# KiCad board phnx.kicad_pcb (continued)
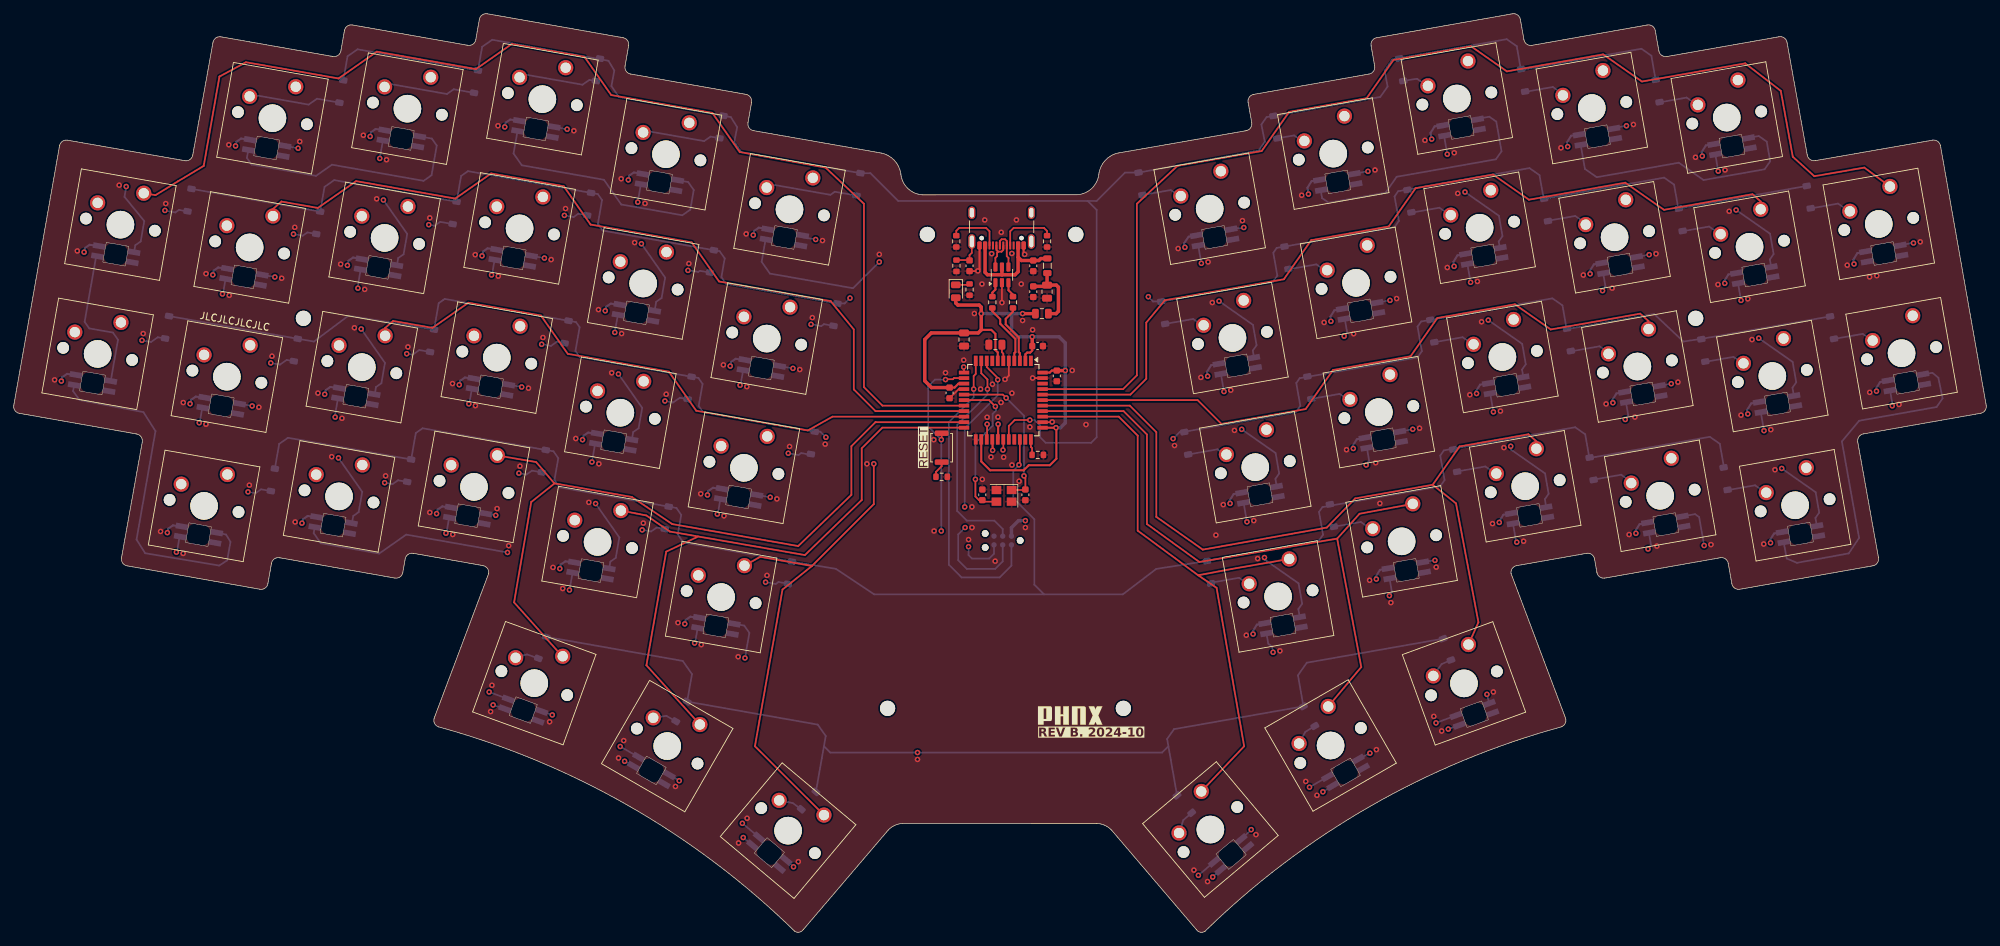
[diagram p0: board, top side]
## Nets
/ESD & Power Filtering/5V: C5.1 C6.1 C7.1 C8.1 D109.2 D502.1 D503.1 D505.1 D506.1 D507.1 D508.1 D509.1 D510.1 D511.1 D512.1 D513.1 D514.1 D515.1 D516.1 D517.1 D518.1 D519.1 D520.1 D521.1 D522.1 D523.1 D524.1 D525.1 D526.1 D527.1 D528.1 D529.1 D530.1 D531.1 D532.1 D533.1 D534.1 D535.1 D536.1 D537.1 D538.1 D539.1 D540.1 D541.1 D542.1 D543.1 D544.1 D545.1 D546.1 D547.1 D548.1 D549.1 D550.1 D552.1 D553.1 F1.2 J3.2 U1.2 U1.7 U1.14 U1.24 U1.34 U1.44
/ESD & Power Filtering/5V_FUSE: C2.1 C3.1 F1.1 FB1.2
/ESD & Power Filtering/VBUS: C1.1 FB1.1 J1.A4 J1.A9 J1.B4 J1.B9 U2.5
GND: C1.2 C2.2 C3.2 C4.2 C5.2 C6.2 C7.2 C8.2 C9.2 C10.1 C11.1 D502.3 D503.3 D505.3 D506.3 D507.3 D508.3 D509.3 D510.3 D511.3 D512.3 D513.3 D514.3 D515.3 D516.3 D517.3 D518.3 D519.3 D520.3 D521.3 D522.3 D523.3 D524.3 D525.3 D526.3 D527.3 D528.3 D529.3 D530.3 D531.3 D532.3 D533.3 D534.3 D535.3 D536.3 D537.3 D538.3 D539.3 D540.3 D541.3 D542.3 D543.3 D544.3 D545.3 D546.3 D547.3 D548.3 D549.3 D550.3 D552.3 D553.3 J1.A1 J1.A12 J1.B1 J1.B12 J3.6 R1.2 R2.2 R5.2 R6.2 R7.2 R8.2 U1.5 U1.15 U1.23 U1.35 U1.43 U2.2 Y2.2 Y2.4
/ESD & Power Filtering/CONN_D+: J1.A6 J1.B6 U2.6
/ESD & Power Filtering/CONN_D-: J1.A7 J1.B7 U2.4
/ESD & Power Filtering/D+: R3.1 U2.1
/ESD & Power Filtering/D-: R4.1 U2.3
/Keyboard Matrix/COL_1: SW402.1 SW403.1 U1.18
/Keyboard Matrix/COL_2: SW405.1 SW406.1 SW407.1 SW408.1 U1.19
/Keyboard Matrix/COL_3: SW409.1 SW410.1 SW411.1 SW412.1 U1.20
/Keyboard Matrix/COL_4: SW413.1 SW414.1 SW415.1 SW416.1 SW417.1 U1.21
/Keyboard Matrix/COL_5: SW418.1 SW419.1 SW420.1 SW421.1 SW422.1 U1.22
/Keyboard Matrix/COL_6: SW423.1 SW424.1 SW425.1 SW426.1 SW427.1 U1.25
/Keyboard Matrix/COL_7: SW428.1 SW429.1 SW430.1 SW431.1 SW432.1 U1.36
/Keyboard Matrix/COL_8: SW433.1 SW434.1 SW435.1 SW436.1 SW437.1 U1.37
/Keyboard Matrix/COL_9: SW438.1 SW439.1 SW440.1 SW441.1 SW442.1 U1.38
/Keyboard Matrix/COL_10: SW443.1 SW444.1 SW445.1 SW446.1 U1.39
/Keyboard Matrix/COL_11: SW447.1 SW448.1 SW449.1 SW450.1 U1.40
/Keyboard Matrix/COL_12: SW452.1 SW453.1 U1.41
/Keyboard Matrix/ROW_1: D405.1 D409.1 D413.1 D418.1 D423.1 D428.1 D433.1 D438.1 D443.1 D447.1 U1.29
/Keyboard Matrix/ROW_2: D402.1 D406.1 D410.1 D414.1 D419.1 D424.1 D429.1 D434.1 D439.1 D444.1 D448.1 D452.1 U1.27
/Keyboard Matrix/ROW_3: D403.1 D407.1 D411.1 D415.1 D420.1 D425.1 D430.1 D435.1 D440.1 D445.1 D449.1 D453.1 U1.26
/Keyboard Matrix/ROW_4: D408.1 D412.1 D416.1 D421.1 D426.1 D431.1 D436.1 D441.1 D446.1 D450.1 U1.31
/Keyboard Matrix/ROW_5: D417.1 D422.1 D427.1 D432.1 D437.1 D442.1 U1.28
/LED Matrix Left Side/DOUT: D523.2 D528.4
/Microcontroller/L_DOUT: D502.4 U1.12
/Microcontroller/MCU_D+: R3.2 U1.4
/Microcontroller/MCU_D-: R4.2 U1.3
Earth: C4.1 J1.S1 R1.1
MISO: J3.1 U1.11
MOSI: J3.4 U1.10
RST: J3.5 SW55.1 U1.13
SCK: J3.3 U1.9
XTAL1: C10.2 U1.17 Y2.3
XTAL2: C11.2 U1.16 Y2.1
Net-(D109-K): D109.1 R8.1
Net-(D402-A): D402.2 SW402.2
Net-(D403-A): D403.2 SW403.2
Net-(D405-A): D405.2 SW405.2
Net-(D406-A): D406.2 SW406.2
Net-(D407-A): D407.2 SW407.2
Net-(D408-A): D408.2 SW408.2
Net-(D409-A): D409.2 SW409.2
Net-(D410-A): D410.2 SW410.2
Net-(D411-A): D411.2 SW411.2
Net-(D412-A): D412.2 SW412.2
Net-(D413-A): D413.2 SW413.2
Net-(D414-A): D414.2 SW414.2
Net-(D415-A): D415.2 SW415.2
Net-(D416-A): D416.2 SW416.2
Net-(D417-A): D417.2 SW417.2
Net-(D418-A): D418.2 SW418.2
Net-(D419-A): D419.2 SW419.2
Net-(D420-A): D420.2 SW420.2
Net-(D421-A): D421.2 SW421.2
Net-(D422-A): D422.2 SW422.2
Net-(D423-A): D423.2 SW423.2
Net-(D424-A): D424.2 SW424.2
Net-(D425-A): D425.2 SW425.2
Net-(D426-A): D426.2 SW426.2
Net-(D427-A): D427.2 SW427.2
Net-(D428-A): D428.2 SW428.2
Net-(D429-A): D429.2 SW429.2
Net-(D430-A): D430.2 SW430.2
Net-(D431-A): D431.2 SW431.2
Net-(D432-A): D432.2 SW432.2
Net-(D433-A): D433.2 SW433.2
Net-(D434-A): D434.2 SW434.2
Net-(D435-A): D435.2 SW435.2
Net-(D436-A): D436.2 SW436.2
Net-(D437-A): D437.2 SW437.2
Net-(D438-A): D438.2 SW438.2
Net-(D439-A): D439.2 SW439.2
Net-(D440-A): D440.2 SW440.2
Net-(D441-A): D441.2 SW441.2
Net-(D442-A): D442.2 SW442.2
Net-(D443-A): D443.2 SW443.2
Net-(D444-A): D444.2 SW444.2
Net-(D445-A): D445.2 SW445.2
Net-(D446-A): D446.2 SW446.2
Net-(D447-A): D447.2 SW447.2
Net-(D448-A): D448.2 SW448.2
Net-(D449-A): D449.2 SW449.2
Net-(D450-A): D450.2 SW450.2
Net-(D452-A): D452.2 SW452.2
Net-(D453-A): D453.2 SW453.2
Net-(D502-DOUT): D502.2 D503.4
Net-(D503-DOUT): D503.2 D508.4
Net-(D505-DIN): D505.4 D506.2
Net-(D505-DOUT): D505.2 D509.4
Net-(D506-DIN): D506.4 D507.2
Net-(D507-DIN): D507.4 D508.2
Net-(D509-DOUT): D509.2 D510.4
Net-(D510-DOUT): D510.2 D511.4
Net-(D511-DOUT): D511.2 D512.4
Net-(D512-DOUT): D512.2 D517.4
Net-(D513-DIN): D513.4 D514.2
Net-(D513-DOUT): D513.2 D518.4
Net-(D514-DIN): D514.4 D515.2
Net-(D515-DIN): D515.4 D516.2
Net-(D516-DIN): D516.4 D517.2
Net-(D518-DOUT): D518.2 D519.4
Net-(D519-DOUT): D519.2 D520.4
Net-(D520-DOUT): D520.2 D521.4
Net-(D521-DOUT): D521.2 D522.4
Net-(D522-DOUT): D522.2 D527.4
Net-(D523-DIN): D523.4 D524.2
Net-(D524-DIN): D524.4 D525.2
Net-(D525-DIN): D525.4 D526.2
Net-(D526-DIN): D526.4 D527.2
Net-(D528-DOUT): D528.2 D529.4
Net-(D529-DOUT): D529.2 D530.4
Net-(D530-DOUT): D530.2 D531.4
Net-(D531-DOUT): D531.2 D532.4
Net-(D532-DOUT): D532.2 D537.4
Net-(D533-DIN): D533.4 D534.2
Net-(D533-DOUT): D533.2 D538.4
Net-(D534-DIN): D534.4 D535.2
Net-(D535-DIN): D535.4 D536.2
Net-(D536-DIN): D536.4 D537.2
Net-(D538-DOUT): D538.2 D539.4
Net-(D539-DOUT): D539.2 D540.4
Net-(D540-DOUT): D540.2 D541.4
Net-(D541-DOUT): D541.2 D542.4
Net-(D542-DOUT): D542.2 D546.4
Net-(D543-DIN): D543.4 D544.2
Net-(D543-DOUT): D543.2 D547.4
Net-(D544-DIN): D544.4 D545.2
Net-(D545-DIN): D545.4 D546.2
Net-(D547-DOUT): D547.2 D548.4
Net-(D548-DOUT): D548.2 D549.4
Net-(D549-DOUT): D549.2 D550.4
Net-(D550-DOUT): D550.2 D553.4
Net-(D552-DIN): D552.4 D553.2
Net-(J1-CC1): J1.A5 R2.1
Net-(J1-CC2): J1.B5 R5.1
Net-(R7-Pad1): R7.1 SW55.2
Net-(U1-UCAP): C9.1 U1.6
Net-(U1-~{HWB}/PE2): R6.1 U1.33

Pads without a net: D552 2; J1 A8 B8; U1 1 8 30 32 42

## Via types
v1: diameter 0.8, hole 0.4, Top to Bottom, 383 vias

## Routing (per net, layer and track width the routed paths; a pad name or vN(x,y) marks a point on that pad's centre or on a via; arc(x,y) is an arc through that point)
/ESD & Power Filtering/5V: length 1542.9
  Top w0.3: 140.41,87.44 141.87,87.44 142.46,86.85 142.46,84.52 142.81,84.17 U1.7 ; U1.34 v1(151.26,73.24) 151.31,73.19 151.31,68.74 150.36,67.79 147.3,67.79 146.56,67.05 141.7,67.05 140.41,68.34 U1.24 ; U1.2 146.81,83.89 147.06,84.14 147.51,84.14 147.81,84.44 C7.1 ; U1.14 137.11,79.64 136.54,79.06 C6.1 ; U1.44 150.36,81.24 150.66,81.53 C5.1
  Top w0.5: D109.2 136.71,91.34 137.01,91.04 140.11,91.04 140.41,90.74 v1(140.41,89.8) 140.41,87.44 139.96,86.99 133.16,86.99 132.21,86.04 132.21,80.04 133.19,79.06 C6.1 ; F1.2 146.42,89.79 v1(146.41,89.8) ; C5.1 152.61,81.53 v1(152.61,81.54) ; C7.1 v1(147.81,86.44)
  In1.Cu w0.5: v1(151.26,73.24) 151.26,63.19 147.82,59.74 v1(146.82,59.74)
  In2.Cu w0.25: 231.4,74.96 232.21,76.12 v1(232.08,76.86) ; v1(176.52,62.24) 176.65,61.5 175.84,60.34 ; 211.37,76.26 212.38,77.7 v1(212.3,78.2) ; v1(194.41,70.22) 194.54,69.48 193.73,68.32
  In2.Cu w0.3: 10.68,97.11 10.08,97.98 v1(10.21,98.72) ; 169.24,97.77 170.05,98.93 v1(169.97,99.42) ; 87.36,49.83 90.2,45.77 87.11,28.25 v1(88.01,26.96) ; v1(85.84,90.2) 85.76,89.71 86.57,88.55 ; v1(179.87,43.28) 179.95,42.79 179.14,41.63 180.62,41.89 ; v1(209.04,96.66) 209.13,96.17 208.32,95.01 ; v1(225.52,114.04) 225.61,113.55 224.8,112.39 ; 228.1,93.68 228.91,94.83 v1(228.78,95.57) ; v1(41.82,59.38) 41.74,58.89 42.55,57.73 ; v1(97.38,44.76) 97.29,44.27 98.1,43.11 ; v1(187.9,107.15) 187.98,106.66 187.38,105.79 ; v1(205.78,115.13) 205.87,114.63 205.26,113.77 ; v1(22.29,58) 22.2,57.51 23.01,56.35 ; v1(71.26,116.89) 71.17,116.4 71.98,115.24 ; 29.61,93.77 28.8,94.93 v1(28.89,95.42) ; v1(215.6,59.48) 215.73,58.75 214.91,57.59 ; v1(235.42,57.9) 235.55,57.16 234.94,56.3 ; 45.85,76.44 45.04,77.6 v1(45.12,78.09) ; 108,99.24 107.19,100.4 v1(107.32,101.2) ; v1(79.25,52.78) 79.16,52.29 79.97,51.13 ; v1(51.72,115.51) 51.63,115.02 52.45,113.86 ; v1(248.32,94.19) 248.45,93.46 247.63,92.3 266.81,95.68 267.21,96.26 v1(267.08,97) ; v1(191.15,88.68) 191.24,88.19 190.43,87.03 ; v1(171.93,8.26) 171.14,7.67 169.55,7.67 169.52,7.7 167.44,8.61 167.44,8.62 166.57,9.74 166.57,45.69 168.82,47.94 172.58,48.6 173.6,50.05 ; v1(48.42,96.8) 48.34,96.31 49.15,95.15 ; v1(245.06,112.66) 245.15,112.17 244.34,111.01 ; 89.87,107.26 89.06,108.42 v1(89.19,109.21) ; v1(69,34.87) 68.38,35.81 71.44,53.14 67.99,58.07 ; v1(61.36,60.76) 61.27,60.27 62.08,59.11 ; v1(103.98,82.18) 103.89,81.69 104.7,80.53 ; v1(32.19,114.14) 32.1,113.64 32.91,112.49 ; v1(206.41,30.38) 205.68,30.1 204.07,31.24 200.94,49.03 199.49,50.04 ; v1(251.66,75.24) 251.75,74.74 250.93,73.59 269.86,76.93 270.47,77.8 v1(270.34,78.54) ; v1(82.55,71.49) 82.46,71 83.27,69.84 ; 29.57,93.74 10.64,97.08 ; 172.54,79.06 173.35,80.21 v1(173.27,80.71) ; v1(254.96,56.52) 255.04,56.03 254.23,54.87 ; 68.68,96.53 67.87,97.69 v1(67.96,98.18) ; v1(6.91,80.01) 6.78,79.27 7.38,78.4 26.31,75.06 25.5,76.22 v1(25.59,76.71) ; 197.03,49.61 197.84,50.77 v1(197.75,51.26) ; v1(188.05,21.05) 187.07,20.49 185.82,20.81 184.93,21.74 181.53,41.04 180.37,41.85 ; v1(105.74,15.81) 105.33,16.41 109.2,38.36 106.97,41.55 105.49,41.81 ; v1(100.68,63.47) 100.59,62.98 101.4,61.82 ; v1(64.66,79.47) 64.57,78.98 65.38,77.82
  In2.Cu w0.5: 172.12,58.42 169.49,73.31 168.82,77.13 ; 172.12,58.42 173.13,59.87 175.84,60.34 189.14,62.69 190.15,64.14 189.72,66.6 190.53,67.76 193.73,68.32 207.27,70.71 208.08,71.87 207.6,74.58 208.41,75.73 225.9,78.82 227.34,77.8 227.73,75.59 229.18,74.57 231.4,74.96 244.69,77.31 246.14,76.29 246.53,74.08 247.98,73.06 250.93,73.59 ; 172.12,58.42 174.94,42.42 176.68,41.2 180.62,41.89 180.37,41.85 192.44,43.98 193.45,45.43 193.02,47.89 193.83,49.05 210.57,52 211.38,53.16 210.9,55.86 211.71,57.02 218.12,58.15 229.19,60.11 230.64,59.09 231.03,56.88 232.48,55.86 247.99,58.6 249.44,57.58 249.83,55.37 251.28,54.35 254.23,54.87 ; 117.29,77.04 116.61,73.23 113.99,58.33 ; 117.29,77.04 116.27,78.49 100.27,81.31 99.26,82.76 99.69,85.22 98.88,86.38 82.14,89.33 81.33,90.49 81.8,93.2 80.99,94.36 63.51,97.44 62.06,96.43 61.67,94.21 60.23,93.2 44.71,95.93 43.27,94.92 42.93,93.15 40.45,91.82 29.86,93.73 ; 117.29,77.04 119.54,89.85 ; v1(146.41,89.8) 146.41,90.7 146.86,91.15 165.35,91.15 166.56,89.93 ; 119.54,89.85 120.59,95.76 119.57,97.2 103.57,100.03 102.56,101.47 102.99,103.94 102.18,105.09 85.44,108.05 84.63,109.2 85.1,111.91 84.29,113.07 66.81,116.15 65.36,115.14 64.97,112.92 63.52,111.91 48.01,114.64 46.57,113.63 46.18,111.42 44.73,110.4 33.16,112.44 32.91,112.49 ; 119.54,89.85 120.75,91.05 139.96,91.05 140.41,90.6 v1(140.41,89.8) ; 168.82,77.13 166.56,89.93 ; 168.82,77.13 169.83,78.58 172.54,79.06 185.84,81.4 186.85,82.85 186.42,85.31 187.23,86.47 203.97,89.42 204.78,90.58 204.3,93.29 205.12,94.45 208.32,95.01 222.6,97.53 224.04,96.51 224.43,94.3 225.88,93.28 241.39,96.02 242.84,95.01 243.19,93.12 245.25,91.89 247.63,92.3 ; 23.01,56.35 34.83,54.27 36.28,55.28 36.67,57.5 38.12,58.51 53.63,55.78 55.08,56.79 55.47,59.01 56.91,60.02 67.99,58.07 74.39,56.94 75.21,55.78 74.73,53.07 75.54,51.91 92.28,48.96 93.09,47.8 92.66,45.34 93.67,43.89 105.49,41.81 109.43,41.11 111.17,42.33 113.99,58.33 ; 166.56,89.93 165.52,95.84 166.54,97.29 182.54,100.11 183.55,101.56 183.12,104.02 183.93,105.18 187.38,105.79 200.67,108.13 201.48,109.29 201,112 201.82,113.16 205.26,113.77 219.3,116.24 220.74,115.23 221.14,113.01 222.58,112 224.8,112.39 238.09,114.73 239.54,113.72 239.93,111.5 241.38,110.49 244.34,111.01 ; 113.99,58.33 112.97,59.78 96.97,62.6 95.96,64.05 96.39,66.51 95.58,67.67 78.84,70.62 78.03,71.78 78.5,74.49 77.69,75.65 60.21,78.73 58.77,77.72 58.37,75.5 56.93,74.49 41.42,77.22 39.97,76.21 39.58,73.99 38.13,72.98 26.31,75.06 ; 29.86,93.73 29.36,93.82 29.86,93.73
  Bottom w0.25: v1(69,34.87) D517.1 ; 196.07,71.76 D535.1 ; D527.1 v1(105.74,15.81) ; 178.18,63.78 D530.1 ; D537.1 v1(188.05,21.05) ; 199.41,52.8 D536.1 ; D522.1 v1(88.01,26.96) ; 174.88,82.49 D529.1 ; D542.1 v1(206.41,30.38) ; 246.65,114.44 D547.1 ; D532.1 v1(171.93,8.26)
  Bottom w0.3: v1(194.41,70.22) 194.33,70.61 194.92,71.57 196.16,71.79 ; v1(267.08,97) 266.97,97.61 267.56,98.57 268.8,98.8 ; v1(32.19,114.14) 32.32,114.74 32.99,115.21 D505.1 ; 9.03,80.86 7.73,81.05 7.05,80.59 v1(6.91,80.01) ; v1(212.3,78.2) 212.22,78.52 212.81,79.48 214.05,79.7 ; v1(248.32,94.19) 248.25,94.52 248.85,95.48 250.08,95.7 ; v1(79.25,52.78) 79.38,53.37 80.05,53.84 81.36,53.65 ; v1(103.98,82.18) 104.1,82.78 104.78,83.24 106.08,83.05 ; 87.94,91.06 86.64,91.25 85.97,90.78 v1(85.84,90.2) ; v1(100.68,63.47) 100.8,64.05 101.47,64.51 102.77,64.32 ; v1(28.89,95.42) 29,96.02 29.67,96.49 30.98,96.31 ; v1(235.42,57.9) 235.36,58.27 235.95,59.22 237.19,59.45 ; 24.41,58.87 23.11,59.06 22.44,58.6 v1(22.29,58) ; v1(61.36,60.76) 61.51,61.35 62.18,61.81 63.49,61.62 ; v1(187.9,107.15) 187.75,108.06 188.34,109.02 189.58,109.24 ; 207.45,117.2 206.21,116.98 205.62,116.02 205.77,115.11 ; v1(215.6,59.48) 215.59,59.64 216.19,60.6 217.42,60.82 ; v1(225.52,114.04) 225.43,114.66 226.03,115.62 227.26,115.84 ; v1(270.34,78.54) 270.27,78.91 270.87,79.87 272.1,80.09 ; v1(82.55,71.49) 82.68,72.06 83.36,72.53 84.66,72.34 ; v1(228.78,95.57) 228.73,95.99 229.32,96.95 230.56,97.17 ; v1(254.96,56.52) 254.88,56.92 255.47,57.87 256.71,58.1 ; v1(71.26,116.89) 71.37,117.5 72.04,117.96 73.35,117.79 ; 50.55,97.76 49.24,97.93 48.57,97.47 v1(48.42,96.8) ; 109.44,102.09 108.13,102.27 107.45,101.81 v1(107.32,101.2) ; 171.74,101.19 170.51,100.96 169.85,100 v1(169.97,99.42) ; v1(10.21,98.72) 10.33,99.32 11,99.79 12.31,99.61 ; 181.65,44.87 180.41,44.65 179.82,43.69 v1(179.87,43.28) ; v1(51.72,115.51) 51.84,116.12 52.52,116.59 53.82,116.41 ; 246.81,114.43 245.57,114.21 244.98,113.25 v1(245.06,112.66) ; 175.01,82.53 173.77,82.31 173.17,81.35 v1(173.27,80.71) ; v1(232.08,76.86) 232,77.25 232.6,78.21 233.83,78.43 ; 253.39,76.99 252.15,76.76 251.56,75.8 v1(251.66,75.24) ; v1(176.52,62.24) 176.44,62.64 177.04,63.6 178.27,63.82 ; v1(67.96,98.18) 68.1,98.81 68.77,99.27 D514.1 ; v1(89.19,109.21) 89.32,109.82 89.99,110.28 91.3,110.11 ; v1(197.75,51.26) 197.68,51.64 198.27,52.6 199.51,52.82 ; 66.78,80.33 65.48,80.52 64.8,80.06 v1(64.66,79.47) ; v1(97.38,44.76) 97.53,45.33 98.2,45.8 99.5,45.61 ; 192.89,90.5 191.66,90.27 191.06,89.31 v1(191.15,88.68) ; v1(45.12,78.09) 45.27,78.68 45.95,79.15 47.25,78.96 ; 43.95,60.23 42.65,60.42 41.98,59.96 v1(41.82,59.38) ; v1(25.59,76.71) 25.74,77.29 26.41,77.75 27.72,77.56 ; v1(209.04,96.66) 208.93,97.3 209.53,98.25 210.76,98.48
  Bottom w0.5: J3.2 144.8,58.72 145.82,59.74 v1(146.82,59.74) ; v1(151.26,73.24) 151.91,73.24 152.61,73.94 v1(152.61,81.54) 152.61,85.54 151.71,86.44 v1(147.81,86.44) 145.71,86.44 144.81,87.34 144.81,89.8 ; v1(146.41,89.8) 144.81,89.8 ; 144.81,89.8 v1(140.41,89.8)
/ESD & Power Filtering/5V_FUSE: length 10.7
  Top w0.5: C3.1 151.32,93.93 151.61,93.64 151.61,90.14 151.27,89.79 F1.1 ; C3.1 149.96,95.66 ; C3.1 149.79,93.76 C2.1
/ESD & Power Filtering/VBUS: length 18.5
  Top w0.5: J1.A9 140.96,95.79 141.31,95.44 143.41,95.44 ; 143.41,95.44 145.31,95.44 145.76,95.89 145.76,97.99 ; 143.41,95.44 U2.5 ; 145.76,97.99 146.24,97.51 C1.1 148.78,97.51 149.06,97.79 149.96,97.79 ; 145.76,97.99 J1.A4
GND: length 17.7
  Top w0.25: U1.43 147.87,80.44 v1(147.86,80.45) ; v1(139.92,95.99) 139.89,95.97 C4.2 ; U1.15 137.14,78.84 C6.2 ; v1(150.71,74.07) 150.68,74.04 U1.35 ; U1.5 144.41,80.8 v1(143.86,80.25) ; v1(143.42,91.39) 143.41,91.4 U2.2
  Top w0.3: J1.A1 146.56,98.55 v1(146.72,98.39) ; v1(139.92,95.99) 140.16,96.24 J1.A12
  vias: v1(5.92,80.18) v1(9.22,98.89) v1(15.3,108.44) v1(18.79,86.9) v1(21.3,58.18) v1(22.05,105.77) v1(24.6,76.89) v1(24.58,54.98) v1(27.9,95.6) v1(27.9,73.74) v1(31.2,114.31) v1(31.27,92.45) v1(34.19,64.9) v1(35.58,76.21) v1(37.47,83.62) v1(38.88,94.93) v1(40.78,102.33) v1(40.84,59.55) v1(41.49,114.78) v1(44.14,78.27) v1(46.14,69.03) v1(47.44,96.98) v1(47.63,74.6) v1(49.44,87.74) v1(50.74,115.69) v1(50.93,93.31) v1(52.66,106.46) v1(53.96,66.25) v1(54.1,112.14) v1(57.2,84.96) v1(60.37,103.7) v1(60.37,60.93) v1(63.67,79.64) v1(63.71,57.74) v1(66.97,98.36) v1(67,76.44) v1(69.2,32.03) v1(69.4,35.85) v1(70.14,61.5) v1(70.27,117.07) v1(70.32,95.24) v1(71.83,56.11) v1(73.46,67.65) v1(74.7,78.97) v1(76.8,86.33) v1(77.76,30.55) v1(77.99,97.64) v1(78.26,52.96) v1(79.67,49.89) v1(80.08,105.04) v1(81.29,116.34) v1(81.56,71.67) v1(83.45,62.4) v1(84.86,90.38) v1(84.92,67.99) v1(86.77,81.21) v1(87.77,25.29) v1(88.15,109.38) v1(88.22,86.89) v1(88.52,27.82) v1(90.11,100.12) v1(91.37,59.39) v1(91.62,105.79) v1(94.69,78.1) v1(96.03,21.16) v1(96.39,44.93) v1(97.98,97.06) v1(99.69,63.65) v1(99.78,41.74) v1(102.99,82.36) v1(103.08,60.44) v1(105.13,39.99) v1(105.19,12.95) v1(106.3,101.37) v1(106.39,79.2) v1(106.43,16.54) v1(109.31,51.8) v1(110.76,62.9) v1(112.59,70.51) v1(113.86,10.24) v1(114.07,81.68) v1(115.9,89.22) v1(117.37,100.4) v1(117.76,70.85) v1(123.82,67.99) v1(125.62,98.39) v1(131.16,25.08) v1(133.52,71.5) v1(133.57,58.24) v1(135.22,81.22) v1(137.86,83.05) v1(138.57,56.99) v1(139.07,61.74) v1(139.07,58.74) v1(139.41,89.81) v1(140.31,78.84) v1(140.52,94.09) v1(140.57,65.74) v1(140.92,103.39) v1(141.26,74.75) v1(141.82,68.98) v1(141.92,98.49) v1(142.04,79.54) v1(142.43,53.86) v1(142.83,74.78) v1(143.32,101.59) v1(143.28,76.9) v1(143.66,68.95) v1(144.84,98.53) v1(144.86,78.25) v1(144.86,67.82) v1(145.52,103.39) v1(145.91,65.47) v1(146.22,94.09) v1(146.41,88.8) v1(146.82,58.74) v1(147.46,73.35) v1(147.86,87.45) v1(153.61,81.55) v1(155.62,73.69) v1(168.46,70.65) v1(168.98,99.24) v1(171.27,9.02) v1(172.28,80.53) v1(173.25,7.35) v1(173.34,97.3) v1(173.95,91.4) v1(174.46,57.65) v1(175.54,62.07) v1(176.62,78.68) v1(177.16,72.85) v1(178.32,103.29) v1(178.88,43.11) v1(179.96,59.75) v1(180.28,14.17) v1(180.52,54.24) v1(183.76,40.85) v1(186.91,106.98) v1(187.5,21.89) v1(189.13,19.87) v1(190.17,88.51) v1(193.42,70.05) v1(194.45,86.88) v1(196.77,51.09) v1(197.56,110.65) v1(197.65,68.15) v1(197.76,26.51) v1(198.26,62.25) v1(199.86,47.85) v1(200.7,91.99) v1(204.02,73.16) v1(204.8,114.95) v1(206.09,31.33) v1(206.44,53) v1(207.23,29.21) v1(208.06,96.49) v1(209.06,113.15) v1(209.56,107.25) v1(211.31,78.02) v1(212.42,94.47) v1(213.03,88.62) v1(214.61,59.31) v1(214.74,34.88) v1(215.76,75.65) v1(216.27,70.35) v1(219.12,56.76) v1(224.54,113.86) v1(227.79,95.4) v1(231.09,76.69) v1(231.97,93.49) v1(234.44,57.73) v1(235.06,117.25) v1(235.28,74.78) v1(238.34,98.49) v1(238.47,56.04) v1(241.53,79.85) v1(244.07,112.49) v1(246.32,56.27) v1(247.33,94.02) v1(248.36,110.65) v1(248.96,104.65) v1(250.67,75.06) v1(251.66,91.95) v1(252.27,86.03) v1(253.97,56.35) v1(255,72.95) v1(255.6,67.14) v1(266.1,96.83) v1(269.33,95.13) v1(269.35,78.36) v1(270.38,95.3) v1(273.61,76.61) v1(276.69,100.22)
/ESD & Power Filtering/CONN_D+: length 4.9
  Top w0.25: 142.87,98.79 142.71,98.63 142.71,98.14 142.46,97.89 U2.6 ; 142.87,98.79 142.61,99.05 J1.B6 ; 142.87,98.79 143.35,98.79 143.61,99.05 J1.A6
/ESD & Power Filtering/CONN_D-: length 5.7
  Top w0.25: J1.A7 143.11,100.33 143.37,100.59 143.86,100.59 144.11,100.34 J1.B7 144.11,98.14 144.36,97.89 U2.4
/ESD & Power Filtering/D+: length 2.2
  Top w0.3: U2.1 142.46,93.29 142.02,92.84 R3.1
/ESD & Power Filtering/D-: length 2.3
  Top w0.3: R4.1 145.02,92.53 144.36,93.19 U2.3
/Keyboard Matrix/COL_1: length 199.1
  Top w0.25: SW402.1 20.57,106.99 23.82,108.99 27.57,111.24 29.85,124.21 33.7,126.29 47.13,123.93 52.69,127.82 67.07,125.29 72.28,128.94 82.82,127.08 86.71,121.52 101.38,118.93 105.36,113.26 117.82,110.99 123.38,105.74 123.38,79.13 126.07,76.44 U1.18
  In1.Cu w0.3: SW403.1 19.88,87.75 20.83,88.42 20.87,88.66 23.82,105.41 23.03,106.54 SW402.1
/Keyboard Matrix/COL_2: length 200.9
  Top w0.25: U1.19 125.07,75.64 121.92,78.79 121.92,87.49 118.56,91.61 102.36,94.46 98.38,100.14 83.71,102.73 79.82,108.29 69.28,110.14 64.07,106.49 49.69,109.03 44.13,105.14 38.84,106.06 37.64,105.01 37.64,103.87
  In1.Cu w0.3: 39.48,85.2 36.14,66.24 35.36,65.7 30.89,66.49 ; 39.48,85.2 42.82,104.16 ; 39.48,85.2 38.47,84.49 34.2,85.25 ; 42.82,104.16 42.78,103.91 41.83,103.25 37.51,104.01 ; 42.82,104.16 45.78,120.9 44.98,122.03 40.82,122.77
/Keyboard Matrix/COL_3: length 171.7
  Top w0.25: SW411.1 53.9,87.72 55.07,88.73 60.76,87.73 65.97,91.38 76.51,89.52 80.4,83.96 95.07,81.37 99.05,75.69 115.25,72.84 118.82,74.84 U1.20
  In1.Cu w0.3: 53.98,86.58 58.25,85.83 59.26,86.54 ; 59.26,86.54 55.92,67.58 55.14,67.03 50.67,67.82 ; 59.26,86.54 62.61,105.49 ; 60.6,124.1 64.77,123.37 65.56,122.24 62.61,105.49 ; 62.61,105.49 62.56,105.25 61.61,104.58 57.29,105.34
/Keyboard Matrix/COL_4: length 193.1
  Top w0.25: SW416.1 75.82,68.24 78.45,65.16 89.7,63.17 95.57,59.24 113.84,56.05 121.57,63.49 121.56,70.55 125.06,74.05 125.07,74.04 U1.21 ; 78.49,65.15 75.1,62.45 72.61,47.88 79.69,39.95 ; 80.34,126.18 79.25,125.67
  In1.Cu w0.3: 76.83,106.72 81.15,105.96 82.1,106.63 82.14,106.87 ; 73.52,87.96 77.79,87.21 78.8,87.92 ; 78.8,87.92 75.46,68.96 74.68,68.41 70.21,69.2 ; 78.8,87.92 82.14,106.87 ; 82.14,106.87 85.1,123.61 84.3,124.75 80.13,125.48
  Bottom w0.25: 80.93,125.86 79.31,125.11
/Keyboard Matrix/COL_5: length 174.3
  Top w0.25: SW422.1 91.82,38.74 94.69,55.24 99.32,57.44 ; U1.22 126.05,73.24 123.06,70.25 123.06,62.74 114.82,54.74 95.21,58.16 91.82,60.49 SW421.1
  In1.Cu w0.3: 100.03,98.9 102.98,115.64 102.19,116.77 98.02,117.5 ; 100.03,98.9 96.69,79.94 ; 100.03,98.9 99.99,98.65 99.03,97.98 94.71,98.74 ; 96.69,79.94 93.34,60.98 92.57,60.44 88.1,61.22 ; 96.69,79.94 95.68,79.23 91.4,79.98
/Keyboard Matrix/COL_6: length 171.7
  Top w0.25: 115.84,53.17 111.57,49.74 107.57,26.99 SW427.1 ; 115.84,53.17 108.32,54.49 SW426.1 ; 115.84,53.17 124.82,62.14 v1(124.82,67.99) ; v1(141.26,73.75) 141.26,71.59 U1.25
  In1.Cu w0.3: 114.57,71.96 113.56,71.25 109.29,72.01 ; 114.57,71.96 117.92,90.92 ; 114.57,71.96 111.31,53.47 111.23,53 110.45,52.46 105.98,53.25 ; 115.91,109.53 120.08,108.79 120.87,107.66 117.92,90.92 ; v1(141.26,73.75) 128.57,73.75 124.82,69.99 v1(124.82,67.99) ; 117.92,90.92 117.87,90.67 116.92,90.01 112.6,90.77
/Keyboard Matrix/COL_7: length 166.7
  Top w0.25: SW431.1 176.82,52.74 171.89,51.82 ; 171.89,51.82 163.12,58.29 163.12,72.09 160.37,74.84 U1.36 ; 171.89,51.82 174.57,49.99 178.57,26.99 SW432.1
  In1.Cu w0.3: 181.99,73 186.26,73.76 186.97,74.77 ; 185.3,54.24 189.76,55.03 190.31,55.81 186.97,74.77 ; 186.97,74.77 183.62,93.73 ; 183.62,93.73 183.67,93.48 183,92.53 178.68,91.76 ; 183.62,93.73 180.67,110.47 179.54,111.26 175.37,110.53
/Keyboard Matrix/COL_8: length 176.4
  Top w0.25: 192.07,57.13 195.57,38.49 SW437.1 ; 192.07,57.13 195.32,60.74 SW436.1 ; 192.07,57.13 172.07,53.74 164.46,59.25 164.46,72.25 161.07,75.64 U1.37
  In1.Cu w0.3: 196.57,99.74 200.89,100.5 201.55,101.46 201.51,101.7 ; 204.85,82.75 208.2,63.79 207.65,63.01 203.18,62.22 ; 204.85,82.75 201.51,101.7 ; 204.85,82.75 204.15,81.73 199.87,80.98 ; 201.51,101.7 198.56,118.44 197.43,119.24 193.26,118.5
/Keyboard Matrix/COL_9: length 197.3
  Top w0.25: 205.93,64.95 194.68,62.97 190.57,58.74 172.57,55.54 165.82,60.29 165.82,72.59 161.97,76.44 U1.38 ; 205.93,64.95 209.82,70.51 219.82,72.28 221.01,71.22 221.01,70.09 ; 205.93,64.95 209.32,62.24 212.57,44.99 SW442.1
  In1.Cu w0.3: 214.45,107.72 218.77,108.48 219.44,109.43 219.4,109.68 ; 222.74,90.72 219.4,109.68 ; 222.74,90.72 222.03,89.71 217.76,88.96 ; 222.74,90.72 226.08,71.76 225.54,70.99 221.07,70.2 ; 219.4,109.68 216.45,126.42 215.31,127.21 211.14,126.48
/Keyboard Matrix/COL_10: length 176.6
  Top w0.25: U1.39 171.82,77.24 175.27,73.79 187.49,75.94 191.47,81.62 202.72,83.6 206.61,89.16 217.85,91.14 223.07,87.49 236.05,89.79 237.24,88.73 237.24,87.6
  In1.Cu w0.3: 238.93,108.3 238.98,108.06 238.31,107.1 233.99,106.34 ; 238.93,108.3 242.28,89.34 ; 238.93,108.3 235.98,125.04 234.85,125.84 230.68,125.1 ; 242.28,89.34 241.57,88.33 237.3,87.58 ; 242.28,89.34 245.62,70.39 245.07,69.61 240.6,68.82
/Keyboard Matrix/COL_11: length 203.6
  Top w0.25: SW448.1 253.54,106.07 252.34,107.13 239.5,104.86 233.88,108.8 219.9,106.34 214.69,109.99 203.45,108 199.55,102.44 188.3,100.46 184.32,94.78 172.1,92.63 167.07,91.74 164.36,88.49 164.36,80.35 162.05,78.04 U1.40
  In1.Cu w0.3: 258.47,106.92 258.51,106.68 257.85,105.72 253.52,104.96 ; 258.47,106.92 255.52,123.66 254.38,124.46 250.22,123.72 ; 258.47,106.92 261.81,87.97 ; 261.81,87.97 261.1,86.95 256.83,86.2 ; 261.81,87.97 265.15,69.01 264.61,68.23 260.14,67.44
/Keyboard Matrix/COL_12: length 200
  Top w0.25: SW452.1 268.57,110.99 261.32,109.74 258.19,112.57 256.45,122.12 251.29,126.12 236.3,123.49 230.67,127.43 216.69,124.96 211.48,128.61 200.24,126.63 196.35,121.07 185.09,119.08 181.12,113.41 168.9,111.25 163,105.74 163,80.83 161,78.84 U1.41
  In1.Cu w0.3: 272.26,108.26 276.43,108.99 277.56,108.2 280.55,91.21 279.89,90.26 275.57,89.49
/Keyboard Matrix/ROW_1: length 278.7
  Top w0.25: U1.29 144.41,73.5 145.26,74.35 v1(147.46,74.35)
  Bottom w0.25: D428.1 161.28,110.27 157.16,106.15 155.86,106.15 ; D405.1 48.44,127.15 49.89,128.16 66.39,125.26 ; 155.86,106.15 157.16,104.85 157.16,71.85 156.36,71.05 149.76,71.05 148.96,71.85 148.96,73.55 148.16,74.35 v1(147.46,74.35) ; 155.86,106.15 128.36,106.15 124.33,110.18 D423.1 105.57,113.24 104.57,114.74 104.99,116.87 104.07,118.32 87.82,121.24 86.74,122.82 87.15,125.07 86.32,126.49 69.44,129.55 67.98,128.53 D409.1 66.4,125.26 ; 219.72,125.34 236.22,128.24 237.67,127.23 D447.1 ; 219.71,125.34 218.74,125.17 218.13,128.61 216.67,129.63 200.07,126.7 198.96,125.07 199.38,122.75 198.32,121.24 181.82,118.32 181.07,117.24 181.57,114.74 180.68,113.49 163.23,110.26
/Keyboard Matrix/ROW_2: length 294.2
  Top w0.3: U1.27 142.86,71.59 v1(142.86,73.75)
  In2.Cu w0.3: 143.46,92.65 143.56,92.65 145.06,91.15 145.06,79.65 146.16,78.55 146.16,77.05 v1(142.86,73.75) ; 143.46,92.65 121.96,92.65 v1(121.36,92.05) ; 143.46,92.65 164.26,92.65 v1(164.66,92.25)
  Bottom w0.25: v1(121.36,92.05) 120.58,91.27 D424.1 103.39,94.12 102.7,95.1 103.18,97.81 102.45,98.85 D419.1 85.46,101.85 84.77,102.83 85.38,106.28 84.77,107.15 D414.1 65.92,110.47 64.93,109.78 D410.1 46.5,109.18 45.1,108.2 D406.1 D402.1 ; D452.1 241.58,105.04 240.97,108.52 239.52,109.53 223.02,106.62 ; 166.53,91.55 182.75,94.41 183.38,95.32 182.8,98.63 183.29,99.33 200.39,102.35 201.02,103.25 200.4,106.81 200.92,107.56 202.25,107.8 219.97,110.92 221.43,109.9 222.04,106.46 223.01,106.63 ; D429.1 165.35,91.56 v1(164.66,92.25)
/Keyboard Matrix/ROW_3: length 276
  Top w0.3: U1.26 142.06,71.49 v1(142.06,69.95)
  In2.Cu w0.3: v1(168.26,71.65) 167.36,70.75 142.06,70.75 ; 142.06,70.75 v1(142.06,69.95) ; 142.06,70.75 118.96,70.75 v1(117.86,71.85)
  Bottom w0.25: D453.1 244.91,86.13 242.32,85.74 238.07,89.74 226.36,87.72 ; v1(117.86,71.85) 117.05,72.66 D425.1 100.01,75.52 99.4,76.39 99.97,79.59 99.36,80.46 D420.1 ; 226.34,87.73 225.37,87.55 224.76,90.99 223.3,92.01 204.26,88.65 203.73,87.9 204.36,84.35 203.72,83.44 186.62,80.42 186.13,79.72 186.72,76.41 186.08,75.5 169.87,72.64 ; v1(168.26,71.65) 169.21,72.6 D430.1 ; D403.1 D407.1 43.57,85.74 48.57,89.49 D411.1 61.67,91.31 62.54,91.93 D415.1 81.6,88.57 82.12,87.81 81.52,84.37 82.12,83.5 97.78,80.74
/Keyboard Matrix/ROW_4: length 271
  Top w0.25: U1.31 146.01,67.97 v1(145.89,67.85)
  Bottom w0.25: 76.61,70.11 59.34,73.15 58.35,72.46 D412.1 39.8,71.78 38.52,70.88 37.89,67.29 ; 94.45,61.88 85.2,63.52 79.19,64.58 78.46,65.61 79.03,68.81 78.33,69.8 D416.1 ; 149.52,49.05 148.12,50.45 148.12,59.94 145.06,63 145.06,67 145.61,67.55 145.61,67.57 v1(145.89,67.85) ; 149.52,49.05 160.96,49.05 165.82,52.74 D431.1 ; 149.52,49.05 124.86,49.05 119.32,52.74 D426.1 97.18,56.58 96.37,57.74 96.87,60.59 96.18,61.58 D421.1 ; 229.64,69.01 228.67,68.84 228.06,72.28 226.6,73.3 208.89,70.18 207.56,69.94 207.03,69.19 207.66,65.63 207.02,64.73 191.05,61.91 189.92,61.71 189.43,61.01 190.02,57.7 189.38,56.79 173.17,53.93 ; 248.21,67.42 247.6,70.9 246.15,71.91 229.66,69.01
/Keyboard Matrix/ROW_5: length 218.5
  Top w0.25: U1.28 143.61,70.05 v1(143.56,70)
  In2.Cu w0.3: v1(131.16,26.08) 132.16,27.08 132.16,62.75 133.06,63.65 141.76,63.65 142.66,64.55 142.66,69.1 v1(143.56,70)
  Bottom w0.25: D442.1 187.66,39.12 186.38,37.3 D437.1 168.39,29.48 167.39,28.05 D432.1 ; D427.1 117.28,25.28 117.84,28.48 116.68,30.14 D422.1 98.43,37.47 97.09,39.38 77.3,42.87 ; 167.57,26.99 166.66,26.08 v1(131.16,26.08) 118.49,26.08 117.58,26.99
/LED Matrix Left Side/DOUT: length 83.3
  In1.Cu w0.25: v1(125.62,97.29) 170.62,97.29 171.92,98.59 178.42,98.59 179.72,99.89 179.72,101.49 178.92,102.29 v1(178.52,102.29)
  Bottom w0.25: v1(125.62,97.29) 121.83,93.51 121.65,93.51 109.74,95.61 108.54,97.32 109.12,100.59 ; v1(178.52,102.29) 178.42,102.19 176.83,102.19 D528.4
/Microcontroller/L_DOUT: length 188.8
  Top w0.25: U1.12 137.91,82 v1(137.86,82.05)
  In1.Cu w0.3: v1(16.32,108.24) 16.63,109.98 18.32,111.24 23.82,110.24 29.9,113.99 31.74,124.8 ; v1(137.86,82.05) 136.36,82.05 135.66,82.75 125.36,82.75 124.4,83.71 124.4,108.49 123.15,110.28 112.32,112.19 104.83,113.51 104.1,114.55 104.62,117.5 103.93,118.49 86.94,121.49 86.21,122.53 86.78,125.73 86.08,126.72 68.81,129.76 67.82,129.07 67.3,126.12 66.26,125.39 49.27,128.38 48.28,127.69 47.81,124.98 46.48,124.05 33.82,126.28 31.79,124.86
  Bottom w0.25: v1(16.32,108.24) 16.07,106.74 18.94,103.23 18.42,100.27 17.64,99.73 17.45,98.67
/Microcontroller/MCU_D+: length 9.1
  Top w0.3: U1.4 145.21,84.06 145.36,84.21 145.36,86.13 143.16,88.33 143.16,88.99 142.02,90.14 R3.2
/Microcontroller/MCU_D-: length 9
  Top w0.3: R4.2 145.02,90.09 143.96,89.04 143.96,88.24 145.86,86.34 145.86,84.21 146.01,84.06 U1.3
Earth: length 31.1
  Top w0.25: R1.1 138.66,97.57 C4.1 138.71,98.29 139.04,98.62 J1.S1
  In1.Cu w0.25: J1.S1 J1.S1 J1.S1 J1.S1 139.81,99.49 146.91,99.49 J1.S1
MISO: length 44.8
  Top w0.25: v1(139.31,78.84) 139.31,80.74 139.61,81.04 U1.11
  Bottom w0.25: v1(139.31,78.84) 139.31,77.64 135.71,74.04 135.71,53.35 137.57,51.49 143.07,51.49 144.8,53.22 J3.1
MOSI: length 32.7
  Top w0.25: v1(141.31,78.84) 141.31,80.24 140.41,81.14 U1.10
  Bottom w0.25: v1(141.31,78.84) 141.31,78.04 136.91,73.64 136.91,61.15 138.32,59.74 142.32,59.74 143.53,58.53 J3.4
RST: length 40
  Top w0.25: U1.13 136.46,80.44 136.3,80.28 135.28,80.28 v1(135.22,80.22) ; v1(134.62,71.5) 134.66,71.54 SW55.1
  In1.Cu w0.3: v1(134.61,58.24) 135.36,57.49 136.36,57.49 137.89,55.97 v1(138.57,55.97)
  Bottom w0.25: v1(135.22,80.22) 133.7,80.22 132.71,79.24 132.71,73.4 v1(134.62,71.5) 134.61,71.49 v1(134.61,58.24) ; v1(138.57,55.97) 138.57,54.74 139.07,54.24 141.57,54.24 142.26,54.93 J3.5
SCK: length 41.8
  Top w0.25: U1.9 141.21,82.04 142.8,80.45 v1(142.8,80.2)
  In1.Cu w0.3: v1(138.01,61.74) 138.07,61.68 v1(138.07,58.74)
  Bottom w0.25: v1(142.8,80.2) 142.8,77.92 138.01,73.14 v1(138.01,61.74) ; v1(138.07,58.74) 137.07,57.74 137.07,53.99 138.32,52.74 142.44,52.74 143.53,53.83 J3.3
